# Altium PCB top_INA2180.PcbDoc (part 3 of 5) (continued)
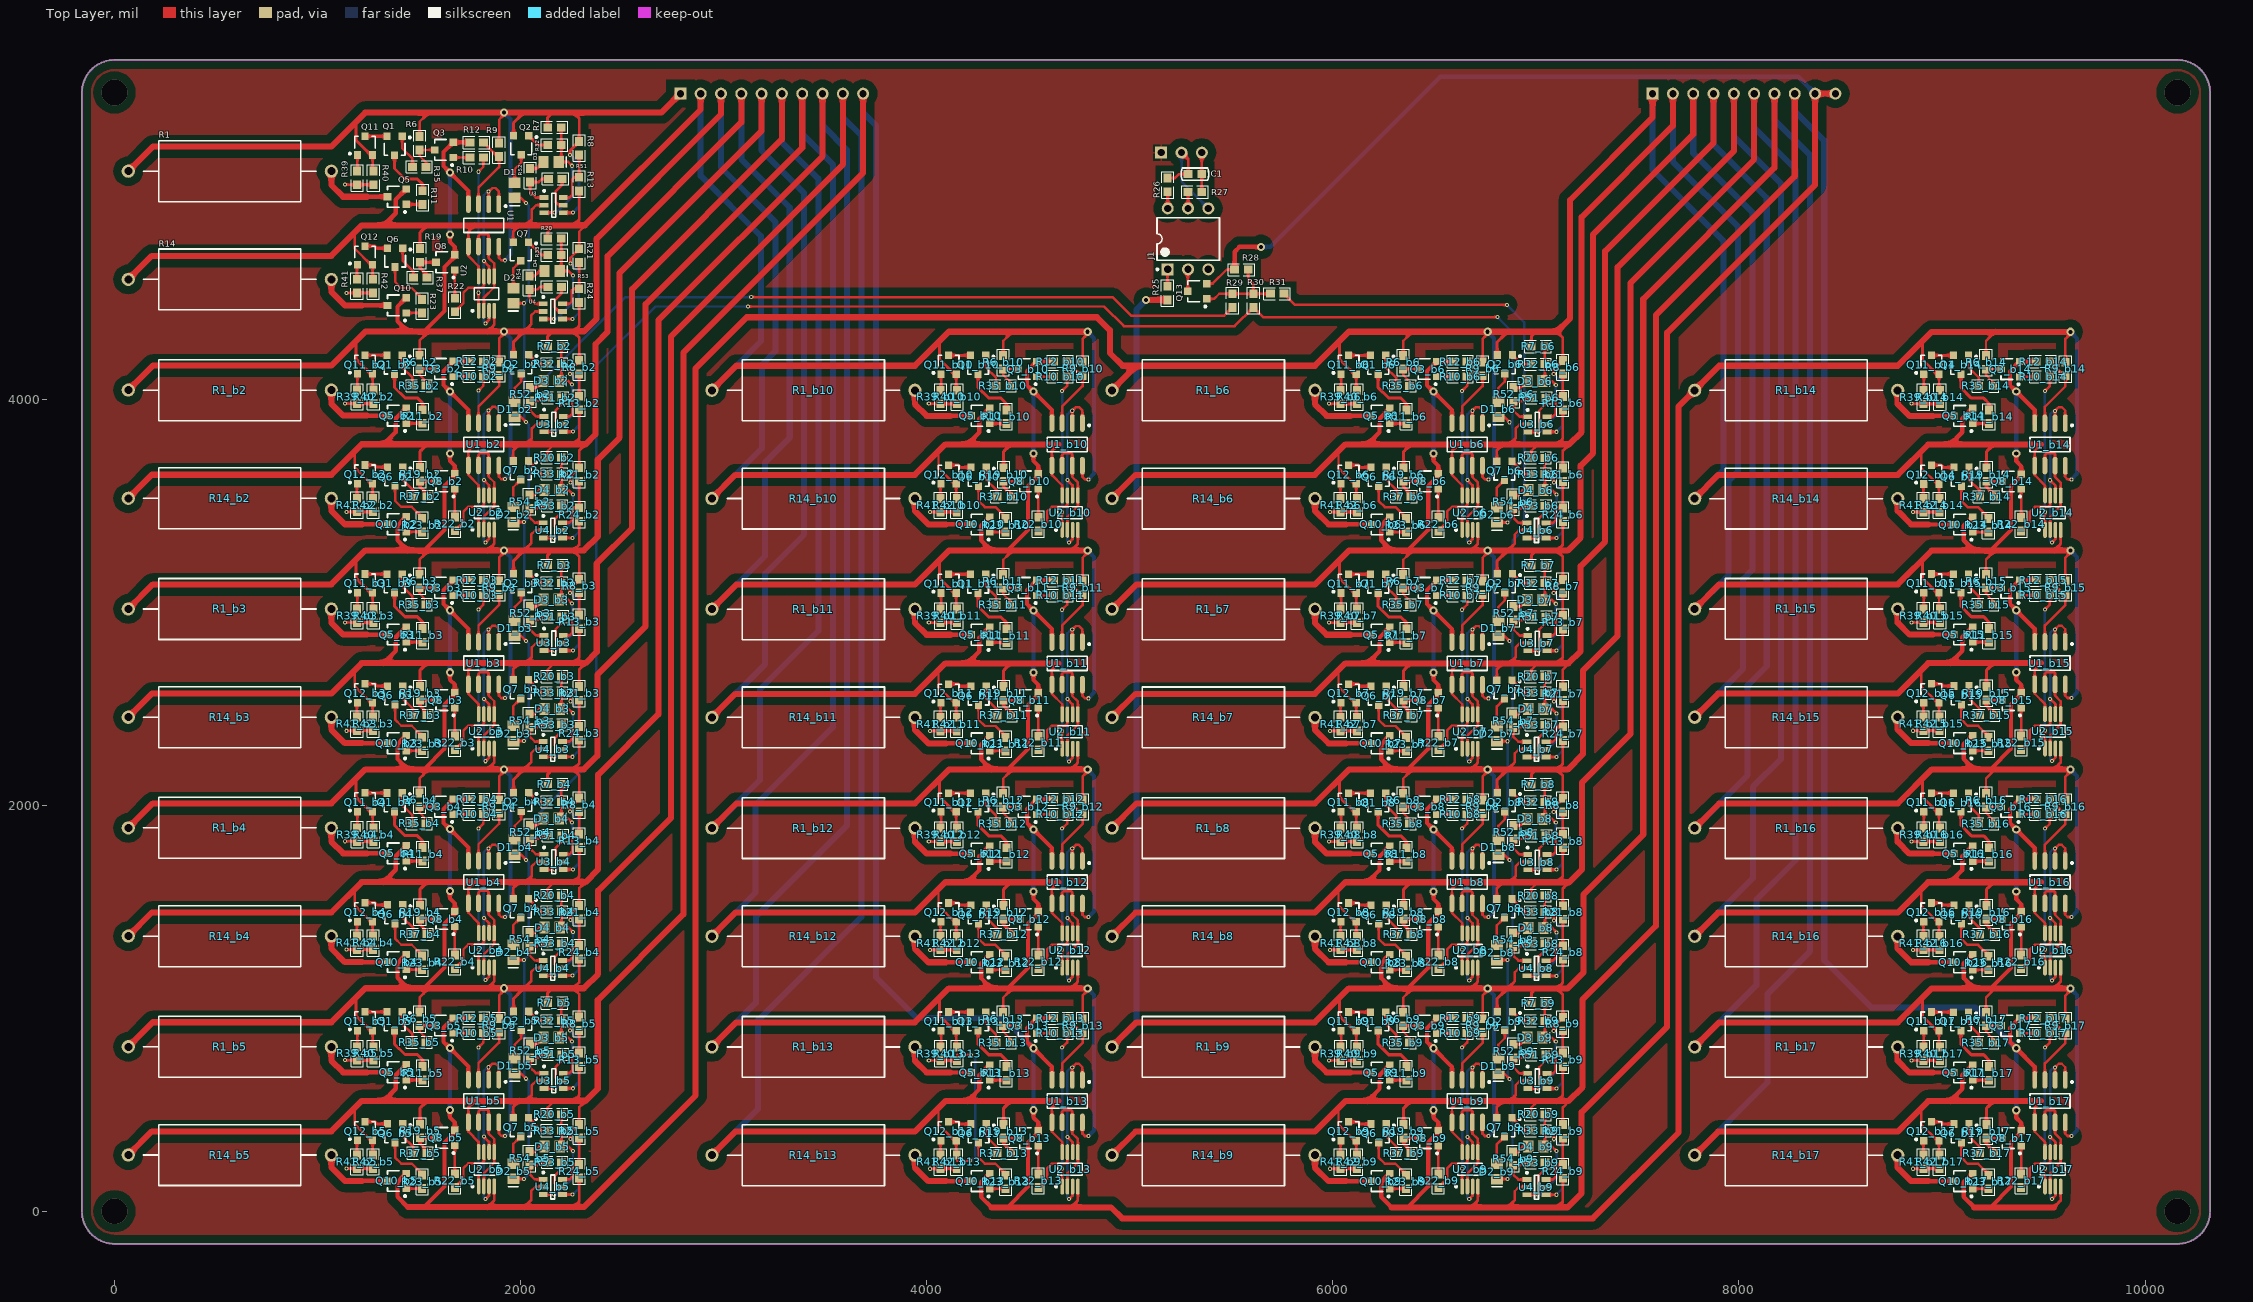
[diagram p0: Top Layer view]
## Nets (pads, with @x,y where several pads share a name; then routed paths per layer and width w, separated by ;. In a path a pad name is that pad's centre, name@x,y a point inside that pad or via, vN(x,y) a via of type N, cw(c..) or ccw(c..) an arc to the next point about the centre after c; other vN are vias at no path point) (continued)
  Top Layer w12: 1183.99,4820.11 1183.99,4740.33 1263.25,4661.07 Q12.2@1271.39,4661.07 1271.39,4592.4 R42.1@1273.99,4589.8 ; 1773.86,4855.61 1742.86,4824.61 U1.5@1742.86,4751.12 1742.86,4704.61 1793.47,4654 U2.8@1793.47,4604.26 ; Q7.2@1963.6,4773.26 1963.6,4825.21 1994,4855.61 ; 2026,4855.61 2056,4885.61 2056,4934 2077,4955 U3.2@2115.76,4955 ; R20.2@2133.54,4790 2133.54,4823.54 2161,4851 2161,4855.61 ; U4.4@2206.24,4394.6 v1(2256.6,4394.6) ; v1(2245,4668) 2245,4696.22 R21.2@2288.86,4740.07 2288.86,4824.61 2319.86,4855.61 ; 2260,4855.61 2288.86,4884.47 R13.1@2288.86,5025.14 ; Q11_b10.2@4145.39,4123.07 4145.39,4048.4 R40_b10.1@4149.99,4043.8 ; R6_b10.2@4376.86,4214.54 4376.86,4286.86 4421.61,4331.61 ; U1_b10.8@4766.86,3672.12 4766.86,3616.61 4778.86,3604.61 v1(4796.86,3604.61) ; R9_b10.2@4767.86,4182.07 4767.86,4296.61 4792.86,4321.61 v2(4792.86,4331.61)
  Top Layer w15: R19.2@1504.86,4741.07 1504.86,4820.61 1539.86,4855.61 1543.86,4855.61 ; 4063.99,4280.86 4063.99,4194.89 Q11_b10.2@4135.81,4123.07
  Top Layer w20: Q11_b10.2@4135.81,4123.07 Q11_b10.2@4145.39,4123.07
  Top Layer w22: 1325.86,4855.61 1385.86,4915.61 1385.86,4982.75 Q5.2@1437.12,5034.01
  Top Layer w30: R14.2@67.99,4589.33 184.27,4705.61 1067.99,4705.61 1217.99,4855.61 1325.86,4855.61 1539.86,4855.61 ; 1543.86,4855.61 1773.86,4855.61 1994,4855.61 2026,4855.61 2161,4855.61 2260,4855.61 2316.53,4855.61 2886.99,5426.07 P1.2@2886.99,5504.07 ; R1_b10.2@2941.99,4043.33 3063.02,4164.36 3941.99,4164.36 4109.24,4331.61 4421.61,4331.61 v2(4792.86,4331.61)
  Bottom Layer w12: v1(2245,4668) 2287,4626 2287,4425 v1(2256.6,4394.6)
  Bottom Layer w20: v2(4792.86,4331.61) 4824.86,4299.61 4824.86,3632.61 v1(4796.86,3604.61)
  Bottom Layer w30: P1.2@2886.99,5504.07 2886.99,5099.12 3184.02,4802.1 3184.02,4285.36 R1_b10.2@2941.99,4043.33
IN_A10: P1.4 Q3_b10.2 Q5_b2.2 Q7_b2.2 Q8_b10.2 Q10_b10.2 Q11_b11.2 Q12_b2.2 R1_b11.2 R6_b11.2 R9_b11.2 R12_b10.1 R13_b2.1 R14_b2.2 R19_b2.2 R20_b2.2 R21_b2.2 R40_b11.1 R42_b2.1 U1_b2.5 U1_b10.4 U1_b11.8 U2_b2.8 U2_b10.4 U3_b2.2 U4_b2.4 | length 14606.8
  Top Layer w12: 1184,3742.04 1184,3662.26 1263.26,3583 Q12_b2.2@1271.4,3583 1271.4,3514.32 R42_b2.1@1274,3511.72 ; 1773.87,3777.54 1742.87,3746.54 U1_b2.5@1742.87,3673.05 1742.87,3626.54 1793.48,3575.92 U2_b2.8@1793.48,3526.18 ; Q7_b2.2@1963.61,3695.19 1963.61,3747.13 1994.01,3777.54 ; 2026.01,3777.54 2056.01,3807.54 2056.01,3855.93 2077.01,3876.93 U3_b2.2@2115.76,3876.93 ; R20_b2.2@2133.54,3711.93 2133.54,3745.46 2161.01,3772.93 2161.01,3777.54 ; U4_b2.4@2206.25,3316.52 v1(2256.61,3316.52) ; v1(2245.01,3589.93) 2245.01,3618.14 R21_b2.2@2288.87,3662 2288.87,3746.54 2319.87,3777.54 ; 2260.01,3777.54 2288.87,3806.39 R13_b2.1@2288.87,3947.07 ; Q11_b11.2@4145.39,3045.07 4145.39,2970.4 R40_b11.1@4149.99,2965.8 ; R6_b11.2@4376.86,3136.54 4376.86,3208.86 4421.54,3253.54 4421.61,3253.61 ; 4709.86,3252.61 4710.79,3253.54 4710.86,3253.61 4744.24,3287 U2_b10.4@4744.24,3355.96 ; U1_b11.8@4766.86,2594.12 4766.86,2538.61 4778.86,2526.61 v1(4796.86,2526.61) ; R9_b11.2@4767.86,3104.07 4767.86,3218.61 4792.86,3243.61 v2(4792.86,3253.61)
  Top Layer w15: R19_b2.2@1504.87,3663 1504.87,3742.54 1539.87,3777.54 1543.87,3777.54 ; 4063.99,3202.86 4063.99,3116.89 Q11_b11.2@4135.81,3045.07
  Top Layer w20: Q11_b11.2@4135.81,3045.07 Q11_b11.2@4145.39,3045.07 ; 4400.86,3256.14 4499.86,3355.14 4499.86,3572.17 4550.12,3622.43 Q8_b10.2@4550.12,3632.01 4550.12,3670.35 4525.72,3694.74 v2(4525.72,3731.61) ; 4420.86,3252.61 4421.79,3253.54 ; U1_b10.4@4616.86,3881.1 4616.86,3945.88 v2(4525.72,4037.01) 4494.72,4068.01 4494.72,4137.15 Q3_b10.2@4542.98,4185.41 R12_b10.1@4623.86,4185.41
  Top Layer w22: 1325.87,3777.54 1385.87,3837.54 1385.87,3904.68 Q5_b2.2@1437.13,3955.94 ; Q10_b10.2@4311.12,3420.01 4267.86,3376.75 4267.86,3304.61 4318.86,3253.61 4318.93,3253.54
  Top Layer w30: R14_b2.2@68,3511.26 184.28,3627.54 1068,3627.54 1218,3777.54 1325.87,3777.54 1539.87,3777.54 ; 1543.87,3777.54 1773.87,3777.54 1994.01,3777.54 2026.01,3777.54 2161.01,3777.54 2260.01,3777.54 2316.54,3777.54 ; 2319.87,3777.54 2369,3826.67 2369,4271.08 2428.99,4331.07 2428.99,4704.23 3086.99,5362.23 P1.4@3086.99,5504.07 ; R1_b11.2@2941.99,2965.33 3063.02,3086.36 3941.99,3086.36 4109.24,3253.61 4318.86,3253.61 4421.61,3253.61 4710.86,3253.61 v2(4792.86,3253.61) ; 4318.93,3253.54 4421.54,3253.54 4421.79,3253.54 4710.79,3253.54
  Bottom Layer w12: v1(2245.01,3589.93) 2287.01,3547.93 2287.01,3346.93 v1(2256.61,3316.52)
  Bottom Layer w20: v2(4525.72,3731.61) v2(4525.72,4037.01) ; v2(4792.86,3253.61) 4824.86,3221.61 4824.86,2554.61 v1(4796.86,2526.61)
  Bottom Layer w30: R1_b11.2@2941.99,2965.33 3203.99,3227.33 3203.99,3688.69 3325.44,3810.14 3325.44,4943.52 3086.99,5181.97 P1.4@3086.99,5504.07
IN_A11: P1.6 Q3_b11.2 Q5_b3.2 Q7_b3.2 Q8_b11.2 Q10_b11.2 Q11_b12.2 Q12_b3.2 R1_b12.2 R6_b12.2 R9_b12.2 R12_b11.1 R13_b3.1 R14_b3.2 R19_b3.2 R20_b3.2 R21_b3.2 R40_b12.1 R42_b3.1 U1_b3.5 U1_b11.4 U1_b12.8 U2_b3.8 U2_b11.4 U3_b3.2 U4_b3.4 | length 16880
  Top Layer w12: 1184,2664.04 1184,2584.26 1263.26,2505 Q12_b3.2@1271.4,2505 1271.4,2436.32 R42_b3.1@1274,2433.72 ; 1773.87,2699.54 1742.87,2668.54 U1_b3.5@1742.87,2595.05 1742.87,2548.54 1793.48,2497.92 U2_b3.8@1793.48,2448.18 ; Q7_b3.2@1963.61,2617.19 1963.61,2669.13 1994.01,2699.54 ; 2026.01,2699.54 2056.01,2729.54 2056.01,2777.93 2077.01,2798.93 U3_b3.2@2115.76,2798.93 ; R20_b3.2@2133.54,2633.93 2133.54,2667.46 2161.01,2694.93 2161.01,2699.54 ; U4_b3.4@2206.25,2238.52 v1(2256.61,2238.52) ; v1(2245.01,2511.93) 2245.01,2540.14 R21_b3.2@2288.87,2584 2288.87,2668.54 2319.87,2699.54 ; 2260.01,2699.54 2288.87,2728.39 R13_b3.1@2288.87,2869.07 ; Q11_b12.2@4145.39,1967.07 4145.39,1892.4 R40_b12.1@4149.99,1887.8 ; R6_b12.2@4376.86,2058.54 4376.86,2130.86 4421.54,2175.54 4421.61,2175.61 ; 4709.86,2174.61 4710.79,2175.54 4710.86,2175.61 4744.24,2209 U2_b11.4@4744.24,2277.96 ; U1_b12.8@4766.86,1516.12 4766.86,1460.61 4778.86,1448.61 v1(4796.86,1448.61) ; R9_b12.2@4767.86,2026.07 4767.86,2140.61 4792.86,2165.61 v2(4792.86,2175.61)
  Top Layer w15: R19_b3.2@1504.87,2585 1504.87,2664.54 1539.87,2699.54 1543.87,2699.54 ; 4063.99,2124.86 4063.99,2038.89 Q11_b12.2@4135.81,1967.07
  Top Layer w20: Q11_b12.2@4135.81,1967.07 Q11_b12.2@4145.39,1967.07 ; 4400.86,2178.14 4499.86,2277.14 4499.86,2494.17 4550.12,2544.43 Q8_b11.2@4550.12,2554.01 4550.12,2592.35 4525.72,2616.74 v2(4525.72,2653.61) ; 4420.86,2174.61 4421.79,2175.54 ; U1_b11.4@4616.86,2803.1 4616.86,2867.88 v2(4525.72,2959.01) 4494.72,2990.01 4494.72,3059.15 Q3_b11.2@4542.98,3107.41 R12_b11.1@4623.86,3107.41
  Top Layer w22: 1325.87,2699.54 1385.87,2759.54 1385.87,2826.68 Q5_b3.2@1437.13,2877.94 ; Q10_b11.2@4311.12,2342.01 4267.86,2298.75 4267.86,2226.61 4318.86,2175.61 4318.93,2175.54
  Top Layer w30: R14_b3.2@68,2433.26 184.28,2549.54 1068,2549.54 1218,2699.54 1325.87,2699.54 1539.87,2699.54 ; 1543.87,2699.54 1773.87,2699.54 1994.01,2699.54 2026.01,2699.54 2161.01,2699.54 2260.01,2699.54 2316.54,2699.54 ; 2319.87,2699.54 2375,2754.67 2375,3191.08 2548.99,3365.07 2548.99,4541.39 3286.99,5279.39 P1.6@3286.99,5504.07 ; R1_b12.2@2941.99,1887.33 3063.02,2008.36 3941.99,2008.36 4109.24,2175.61 4318.86,2175.61 4421.61,2175.61 4710.86,2175.61 v2(4792.86,2175.61) ; 4318.93,2175.54 4421.54,2175.54 4421.79,2175.54 4710.79,2175.54
  Bottom Layer w12: v1(2245.01,2511.93) 2287.01,2469.93 2287.01,2268.93 v1(2256.61,2238.52)
  Bottom Layer w20: v2(4525.72,2653.61) v2(4525.72,2959.01) ; v2(4792.86,2175.61) 4824.86,2143.61 4824.86,1476.61 v1(4796.86,1448.61)
  Bottom Layer w30: R1_b12.2@2941.99,1887.33 3178.99,2124.33 3178.99,2570.07 3466.86,2857.94 3466.86,5084.94 3286.99,5264.81 P1.6@3286.99,5504.07
IN_A12: P1.8 Q3_b12.2 Q5_b4.2 Q7_b4.2 Q8_b12.2 Q10_b12.2 Q11_b13.2 Q12_b4.2 R1_b13.2 R6_b13.2 R9_b13.2 R12_b12.1 R13_b4.1 R14_b4.2 R19_b4.2 R20_b4.2 R21_b4.2 R40_b13.1 R42_b4.1 U1_b4.5 U1_b12.4 U1_b13.8 U2_b4.8 U2_b12.4 U3_b4.2 U4_b4.4 | length 19153.2
  Top Layer w12: 1184,1586.04 1184,1506.26 1263.26,1427 Q12_b4.2@1271.4,1427 1271.4,1358.32 R42_b4.1@1274,1355.72 ; 1773.87,1621.54 1742.87,1590.54 U1_b4.5@1742.87,1517.05 1742.87,1470.54 1793.48,1419.92 U2_b4.8@1793.48,1370.18 ; Q7_b4.2@1963.61,1539.19 1963.61,1591.13 1994.01,1621.54 ; 2026.01,1621.54 2056.01,1651.54 2056.01,1699.93 2077.01,1720.93 U3_b4.2@2115.76,1720.93 ; R20_b4.2@2133.54,1555.93 2133.54,1589.46 2161.01,1616.93 2161.01,1621.54 ; U4_b4.4@2206.25,1160.52 v1(2256.61,1160.52) ; v1(2245.01,1433.93) 2245.01,1462.14 R21_b4.2@2288.87,1506 2288.87,1590.54 2319.87,1621.54 ; 2260.01,1621.54 2288.87,1650.39 R13_b4.1@2288.87,1791.07 ; Q11_b13.2@4145.39,889.07 4145.39,814.4 R40_b13.1@4149.99,809.8 ; R6_b13.2@4376.86,980.54 4376.86,1052.86 4421.54,1097.54 4421.61,1097.61 ; 4709.86,1096.61 4710.79,1097.54 4710.86,1097.61 4744.24,1131 U2_b12.4@4744.24,1199.96 ; U1_b13.8@4766.86,438.12 4766.86,382.61 4778.86,370.61 v1(4796.86,370.61) ; R9_b13.2@4767.86,948.07 4767.86,1062.61 4792.86,1087.61 v2(4792.86,1097.61)
  Top Layer w15: R19_b4.2@1504.87,1507 1504.87,1586.54 1539.87,1621.54 1543.87,1621.54 ; 4063.99,1046.86 4063.99,960.89 Q11_b13.2@4135.81,889.07
  Top Layer w20: Q11_b13.2@4135.81,889.07 Q11_b13.2@4145.39,889.07 ; 4400.86,1100.14 4499.86,1199.14 4499.86,1416.17 4550.12,1466.43 Q8_b12.2@4550.12,1476.01 4550.12,1514.35 4525.72,1538.74 v2(4525.72,1575.61) ; 4420.86,1096.61 4421.79,1097.54 ; U1_b12.4@4616.86,1725.1 4616.86,1789.88 v2(4525.72,1881.01) 4494.72,1912.01 4494.72,1981.15 Q3_b12.2@4542.98,2029.41 R12_b12.1@4623.86,2029.41
  Top Layer w22: 1325.87,1621.54 1385.87,1681.54 1385.87,1748.68 Q5_b4.2@1437.13,1799.94 ; Q10_b12.2@4311.12,1264.01 4267.86,1220.75 4267.86,1148.61 4318.86,1097.61 4318.93,1097.54
  Top Layer w30: R14_b4.2@68,1355.26 184.28,1471.54 1068,1471.54 1218,1621.54 1325.87,1621.54 1539.87,1621.54 ; 1543.87,1621.54 1773.87,1621.54 1994.01,1621.54 2026.01,1621.54 2161.01,1621.54 2260.01,1621.54 2316.54,1621.54 ; 2319.87,1621.54 2382,1683.67 2382,2150.08 2678.99,2447.07 2678.99,4388.55 3486.99,5196.55 P1.8@3486.99,5504.07 ; R1_b13.2@2941.99,809.33 3063.02,930.36 3941.99,930.36 4109.24,1097.61 4318.86,1097.61 4421.61,1097.61 4710.86,1097.61 v2(4792.86,1097.61) ; 4318.93,1097.54 4421.54,1097.54 4421.79,1097.54 4710.79,1097.54
  Bottom Layer w12: v1(2245.01,1433.93) 2287.01,1391.93 2287.01,1190.93 v1(2256.61,1160.52)
  Bottom Layer w20: v2(4525.72,1575.61) v2(4525.72,1881.01) ; v2(4792.86,1097.61) 4824.86,1065.61 4824.86,398.61 v1(4796.86,370.61)
  Bottom Layer w30: R1_b13.2@2941.99,809.33 3158.99,1026.33 3158.99,1451.07 3608.28,1900.36 3608.28,5226.36 3486.99,5347.65 P1.8@3486.99,5504.07
IN_A13: P1.10 Q3_b13.2 Q5_b5.2 Q7_b5.2 Q8_b13.2 Q10_b13.2 Q11_b14.2 Q12_b5.2 R1_b14.2 R6_b14.2 R9_b14.2 R12_b13.1 R13_b5.1 R14_b5.2 R19_b5.2 R20_b5.2 R21_b5.2 R40_b14.1 R42_b5.1 U1_b5.5 U1_b13.4 U1_b14.8 U2_b5.8 U2_b13.4 U3_b5.2 U4_b5.4 | length 27466.7
  Top Layer w12: 1184,508.04 1184,428.26 1263.26,349 Q12_b5.2@1271.4,349 1271.4,280.32 R42_b5.1@1274,277.72 ; 1773.87,543.54 1742.87,512.54 U1_b5.5@1742.87,439.05 1742.87,392.54 1793.48,341.92 U2_b5.8@1793.48,292.18 ; Q7_b5.2@1963.61,461.19 1963.61,513.13 1994.01,543.54 ; 2026.01,543.54 2056.01,573.54 2056.01,621.93 2077.01,642.93 U3_b5.2@2115.76,642.93 ; R20_b5.2@2133.54,477.93 2133.54,511.46 2161.01,538.93 2161.01,543.54 ; U4_b5.4@2206.25,82.52 v1(2256.61,82.52) ; v1(2245.01,355.93) 2245.01,384.14 R21_b5.2@2288.87,428 2288.87,512.54 2319.87,543.54 ; 2260.01,543.54 2288.87,572.39 R13_b5.1@2288.87,713.07 ; 4710.79,19.54 4744.24,53 U2_b13.4@4744.24,121.96 ; Q11_b14.2@8985.39,4122.81 8985.39,4048.14 R40_b14.1@8989.99,4043.54 ; R6_b14.2@9216.86,4214.28 9216.86,4286.6 9261.61,4331.35 ; U1_b14.8@9606.86,3671.86 9606.86,3616.35 9618.86,3604.35 v1(9636.86,3604.35) ; R9_b14.2@9607.86,4181.81 9607.86,4296.35 9632.86,4321.35 v2(9632.86,4331.35)
  Top Layer w15: R19_b5.2@1504.87,429 1504.87,508.54 1539.87,543.54 1543.87,543.54 ; 8903.99,4280.6 8903.99,4194.63 Q11_b14.2@8975.81,4122.81
  Top Layer w20: 4400.86,22.14 4499.86,121.14 4499.86,338.17 4550.12,388.43 Q8_b13.2@4550.12,398.01 4550.12,436.35 4525.72,460.74 v2(4525.72,497.61) ; 4420.86,18.61 4421.79,19.54 ; U1_b13.4@4616.86,647.1 4616.86,711.88 v2(4525.72,803.01) 4494.72,834.01 4494.72,903.15 Q3_b13.2@4542.98,951.41 R12_b13.1@4623.86,951.41 ; Q11_b14.2@8975.81,4122.81 Q11_b14.2@8985.39,4122.81
  Top Layer w22: 1325.87,543.54 1385.87,603.54 1385.87,670.68 Q5_b5.2@1437.13,721.94 ; Q10_b13.2@4311.12,186.01 4267.86,142.75 4267.86,70.61 4318.93,19.54
  Top Layer w30: R14_b5.2@68,277.26 184.28,393.54 1068,393.54 1218,543.54 1325.87,543.54 1539.87,543.54 ; 1543.87,543.54 1773.87,543.54 1994.01,543.54 2026.01,543.54 2161.01,543.54 2260.01,543.54 2316.54,543.54 ; 2319.87,543.54 2380,603.67 2380,1040.08 2801.99,1462.07 2801.99,4228.7 3686.99,5113.7 P1.10@3686.99,5504.07 ; 4318.93,19.54 4421.79,19.54 4710.79,19.54 4907.53,19.54 4961.99,-34.93 7279.99,-34.93 7702.99,388.07 7702.99,3964.07 R1_b14.2@7781.99,4043.07 7903.02,4164.1 8781.99,4164.1 8949.24,4331.35 9261.61,4331.35 v2(9632.86,4331.35)
  Bottom Layer w12: v1(2245.01,355.93) 2287.01,313.93 2287.01,112.93 v1(2256.61,82.52)
  Bottom Layer w20: v2(4525.72,497.61) v2(4525.72,803.01) ; v2(9632.86,4331.35) 9664.86,4299.35 9664.86,3632.35 v1(9636.86,3604.35)
  Bottom Layer w30: P1.10@3686.99,5504.07 3686.99,5411.07 3749.99,5348.07 3749.99,1154.01 3952,952 4376.74,952 v2(4525.72,803.01)
IN_A14: P2.2 Q3_b14.2 Q5_b6.2 Q7_b6.2 Q8_b14.2 Q10_b14.2 Q11_b15.2 Q12_b6.2 R1_b15.2 R6_b15.2 R9_b15.2 R12_b14.1 R13_b6.1 R14_b6.2 R19_b6.2 R20_b6.2 R21_b6.2 R40_b15.1 R42_b6.1 U1_b6.5 U1_b14.4 U1_b15.8 U2_b6.8 U2_b14.4 U3_b6.2 U4_b6.4 | length 14451.9
  Top Layer w12: 6027.99,3741.11 6027.99,3661.33 6107.25,3582.07 Q12_b6.2@6115.39,3582.07 6115.39,3513.4 R42_b6.1@6117.99,3510.8 ; 6617.86,3776.61 6586.86,3745.61 U1_b6.5@6586.86,3672.12 6586.86,3625.61 6637.47,3575 U2_b6.8@6637.47,3525.26 ; Q7_b6.2@6807.6,3694.26 6807.6,3746.21 6838,3776.61 ; 6870,3776.61 6900,3806.61 6900,3855 6921,3876 U3_b6.2@6959.76,3876 ; R20_b6.2@6977.54,3711 6977.54,3744.54 7005,3772 7005,3776.61 ; U4_b6.4@7050.24,3315.6 v1(7100.6,3315.6) ; v1(7089,3589) 7089,3617.22 R21_b6.2@7132.86,3661.07 7132.86,3745.61 7163.86,3776.61 ; 7104,3776.61 7132.86,3805.47 R13_b6.1@7132.86,3946.14 ; Q11_b15.2@8985.39,3046.07 8985.39,2971.4 R40_b15.1@8989.99,2966.8 ; R6_b15.2@9216.86,3137.54 9216.86,3209.86 9261.28,3254.28 9261.35,3254.35 9261.54,3254.54 ; 9305.54,3254.28 9305.61,3254.35 ; 9550.86,3253.35 9551.79,3254.28 9551.86,3254.35 9584.24,3286.74 U2_b14.4@9584.24,3355.7 ; 9594.79,3254.28 9594.86,3254.35 ; U1_b15.8@9606.86,2595.12 9606.86,2539.61 9618.86,2527.61 v1(9636.86,2527.61) ; R9_b15.2@9607.86,3105.07 9607.86,3219.61 v2@9632.86,3244.61
  Top Layer w15: R19_b6.2@6348.86,3662.07 6348.86,3741.61 6383.86,3776.61 6387.86,3776.61 ; 8903.99,3203.86 8903.99,3117.89 Q11_b15.2@8975.81,3046.07
  Top Layer w20: Q11_b15.2@8975.81,3046.07 Q11_b15.2@8985.39,3046.07 ; 9240.86,3255.88 9339.86,3354.88 9339.86,3571.91 9390.12,3622.17 Q8_b14.2@9390.12,3631.75 9390.12,3670.09 9365.72,3694.48 v2(9365.72,3731.35) ; 9304.86,3253.35 9305.79,3254.28 ; U1_b14.4@9456.86,3880.84 9456.86,3945.62 v2(9365.72,4036.75) 9334.72,4067.75 9334.72,4136.89 Q3_b14.2@9382.98,4185.15 R12_b14.1@9463.86,4185.15
  Top Layer w22: 6169.86,3776.61 6229.86,3836.61 6229.86,3903.75 Q5_b6.2@6281.12,3955.01 ; Q10_b14.2@9151.12,3419.75 9107.86,3376.49 9107.86,3304.35 9157.86,3254.35 9158.86,3253.35 ; 9202.86,3254.35 9202.93,3254.28
  Top Layer w30: R14_b6.2@4911.99,3510.33 5028.27,3626.61 5911.99,3626.61 6061.99,3776.61 6169.86,3776.61 6383.86,3776.61 ; 6387.86,3776.61 6617.86,3776.61 6838,3776.61 6870,3776.61 7005,3776.61 7104,3776.61 7160.53,3776.61 ; 7163.86,3776.61 7224.99,3837.74 7224.99,4895.65 7674.99,5345.65 P2.2@7674.99,5504.07 ; R1_b15.2@7781.99,2966.33 7903.02,3087.36 8781.99,3087.36 8948.35,3253.72 ; 8948.98,3254.35 9157.86,3254.35 9202.86,3254.35 9261.35,3254.35 9305.61,3254.35 9551.86,3254.35 9594.86,3254.35 ; 9202.93,3254.28 9261.28,3254.28 9305.54,3254.28 9305.79,3254.28 9551.79,3254.28 9594.79,3254.28 v2@9632.53,3254.28
  Bottom Layer w12: v1(7089,3589) 7131,3547 7131,3346 v1(7100.6,3315.6)
  Bottom Layer w20: v2(9365.72,3731.35) v2(9365.72,4036.75) ; v2(9632.86,3254.61) 9664.86,3222.61 9664.86,2555.61 v1(9636.86,2527.61)
  Bottom Layer w30: P2.2@7674.99,5504.07 7674.99,5169.55 7995.73,4848.81 7995.73,3643.81 7948.99,3597.07 7948.99,3133.33 R1_b15.2@7781.99,2966.33
IN_A15: P2.4 Q3_b15.2 Q5_b7.2 Q7_b7.2 Q8_b15.2 Q10_b15.2 Q11_b16.2 Q12_b7.2 R1_b16.2 R6_b16.2 R9_b16.2 R12_b15.1 R13_b7.1 R14_b7.2 R19_b7.2 R20_b7.2 R21_b7.2 R40_b16.1 R42_b7.1 U1_b7.5 U1_b15.4 U1_b16.8 U2_b7.8 U2_b15.4 U3_b7.2 U4_b7.4 | length 16729.6
  Top Layer w12: 6027.99,2663.11 6027.99,2583.33 6107.25,2504.07 Q12_b7.2@6115.39,2504.07 6115.39,2435.4 R42_b7.1@6117.99,2432.8 ; 6617.86,2698.61 6586.86,2667.61 U1_b7.5@6586.86,2594.12 6586.86,2547.61 6637.47,2497 U2_b7.8@6637.47,2447.26 ; Q7_b7.2@6807.6,2616.26 6807.6,2668.21 6838,2698.61 ; 6870,2698.61 6900,2728.61 6900,2777 6921,2798 U3_b7.2@6959.76,2798 ; R20_b7.2@6977.54,2633 6977.54,2666.54 7005,2694 7005,2698.61 ; U4_b7.4@7050.24,2237.6 v1(7100.6,2237.6) ; v1(7089,2511) 7089,2539.22 R21_b7.2@7132.86,2583.07 7132.86,2667.61 7163.86,2698.61 ; 7104,2698.61 7132.86,2727.47 R13_b7.1@7132.86,2868.14 ; Q11_b16.2@8985.39,1967.07 8985.39,1892.4 R40_b16.1@8989.99,1887.8 ; R6_b16.2@9216.86,2058.54 9216.86,2130.86 9261.54,2175.54 ; 9305.54,2176.54 9305.61,2176.61 ; 9550.86,2176.61 9584.24,2210 U2_b15.4@9584.24,2278.96 ; 9593.86,2175.61 9594.79,2176.54 9594.86,2176.61 ; U1_b16.8@9606.86,1516.12 9606.86,1460.61 9618.86,1448.61 v1(9636.86,1448.61) ; R9_b16.2@9607.86,2026.07 9607.86,2140.61 v2@9632.86,2165.61
  Top Layer w15: R19_b7.2@6348.86,2584.07 6348.86,2663.61 6383.86,2698.61 6387.86,2698.61 ; 8903.99,2124.86 8903.99,2038.89 Q11_b16.2@8975.81,1967.07
  Top Layer w20: Q11_b16.2@8975.81,1967.07 Q11_b16.2@8985.39,1967.07 ; 9240.86,2179.14 9339.86,2278.14 9339.86,2495.17 9390.12,2545.43 Q8_b15.2@9390.12,2555.01 9390.12,2593.35 9365.72,2617.74 v2(9365.72,2654.61) ; 9304.86,2175.61 9305.79,2176.54 ; U1_b15.4@9456.86,2804.1 9456.86,2868.88 v2(9365.72,2960.01) 9334.72,2991.01 9334.72,3060.15 Q3_b15.2@9382.98,3108.41 R12_b15.1@9463.86,3108.41
  Top Layer w22: 6169.86,2698.61 6229.86,2758.61 6229.86,2825.75 Q5_b7.2@6281.12,2877.01 ; Q10_b15.2@9151.12,2343.01 9107.86,2299.75 9107.86,2227.61 9158.86,2176.61 ; 9202.86,2176.61 9202.93,2176.54
  Top Layer w30: R14_b7.2@4911.99,2432.33 5028.27,2548.61 5911.99,2548.61 6061.99,2698.61 6169.86,2698.61 6383.86,2698.61 ; 6387.86,2698.61 6617.86,2698.61 6838,2698.61 6870,2698.61 7005,2698.61 7104,2698.61 7160.53,2698.61 7220,2758.08 7220,3177.08 7340.99,3298.07 7340.99,4728.81 7874.99,5262.81 P2.4@7874.99,5504.07 ; R1_b16.2@7781.99,1887.33 7903.02,2008.36 8781.99,2008.36 8950.24,2176.61 9158.86,2176.61 9202.86,2176.61 9305.61,2176.61 9550.86,2176.61 9594.86,2176.61 v2(9632.99,2176.61) ; 9202.93,2176.54 9305.54,2176.54 9305.79,2176.54 9594.79,2176.54
  Bottom Layer w12: v1(7089,2511) 7131,2469 7131,2268 v1(7100.6,2237.6)
  Bottom Layer w20: v2(9365.72,2654.61) v2(9365.72,2960.01) ; v2@9632.86,2175.61 9664.86,2143.61 9664.86,1476.61 v1(9636.86,1448.61)
  Bottom Layer w30: R1_b16.2@7781.99,1887.33 8042.99,2148.33 ; P2.4@7874.99,5504.07 7874.99,5252.39 8137.15,4990.23 8137.15,2685.07 8042.99,2590.92 8042.99,2149.33
IN_A16: P2.6 Q3_b16.2 Q5_b8.2 Q7_b8.2 Q8_b16.2 Q10_b16.2 Q11_b17.2 Q12_b8.2 R1_b17.2 R6_b17.2 R9_b17.2 R12_b16.1 R13_b8.1 R14_b8.2 R19_b8.2 R20_b8.2 R21_b8.2 R40_b17.1 R42_b8.1 U1_b8.5 U1_b16.4 U1_b17.8 U2_b8.8 U2_b16.4 U3_b8.2 U4_b8.4 | length 19001.8
  Top Layer w12: 6027.99,1585.11 6027.99,1505.33 6107.25,1426.07 Q12_b8.2@6115.39,1426.07 6115.39,1357.4 R42_b8.1@6117.99,1354.8 ; 6617.86,1620.61 6586.86,1589.61 U1_b8.5@6586.86,1516.12 6586.86,1469.61 6637.47,1419 U2_b8.8@6637.47,1369.26 ; Q7_b8.2@6807.6,1538.26 6807.6,1590.21 6838,1620.61 ; 6870,1620.61 6900,1650.61 6900,1699 6921,1720 U3_b8.2@6959.76,1720 ; R20_b8.2@6977.54,1555 6977.54,1588.54 7005,1616 7005,1620.61 ; U4_b8.4@7050.24,1159.6 v1(7100.6,1159.6) ; v1(7089,1433) 7089,1461.22 R21_b8.2@7132.86,1505.07 7132.86,1589.61 7163.86,1620.61 ; 7104,1620.61 7132.86,1649.47 R13_b8.1@7132.86,1790.14 ; Q11_b17.2@8985.39,889.07 8985.39,814.4 R40_b17.1@8989.99,809.8 ; R6_b17.2@9216.86,980.54 9216.86,1052.86 9261.28,1097.28 ; 9297.28,1097.54 9297.35,1097.61 9297.54,1097.8 ; 9305.54,1097.54 9305.61,1097.61 ; 9550.86,1097.61 9584.24,1131 U2_b16.4@9584.24,1199.96 ; 9593.86,1096.61 9594.79,1097.54 9594.86,1097.61 ; U1_b17.8@9606.86,438.12 9606.86,382.61 9618.86,370.61 v1(9636.86,370.61) ; R9_b17.2@9607.86,948.07 9607.86,1062.61 v2@9632.86,1087.61
  Top Layer w15: R19_b8.2@6348.86,1506.07 6348.86,1585.61 6383.86,1620.61 6387.86,1620.61 ; 8903.99,1046.86 8903.99,960.89 Q11_b17.2@8975.81,889.07
  Top Layer w20: Q11_b17.2@8975.81,889.07 Q11_b17.2@8985.39,889.07 ; 9240.86,1100.14 9339.86,1199.14 9339.86,1416.17 9390.12,1466.43 Q8_b16.2@9390.12,1476.01 9390.12,1514.35 9365.72,1538.74 v2(9365.72,1575.61) ; 9304.86,1096.61 9305.79,1097.54 ; U1_b16.4@9456.86,1725.1 9456.86,1789.88 v2(9365.72,1881.01) 9334.72,1912.01 9334.72,1981.15 Q3_b16.2@9382.98,2029.41 R12_b16.1@9463.86,2029.41
  Top Layer w22: 6169.86,1620.61 6229.86,1680.61 6229.86,1747.75 Q5_b8.2@6281.12,1799.01 ; Q10_b16.2@9151.12,1264.01 9107.86,1220.75 9107.86,1148.61 9158.86,1097.61 ; 9202.86,1097.61 9202.93,1097.54
  Top Layer w30: R14_b8.2@4911.99,1354.33 5028.27,1470.61 5911.99,1470.61 6061.99,1620.61 6169.86,1620.61 6383.86,1620.61 ; 6387.86,1620.61 6617.86,1620.61 6838,1620.61 6870,1620.61 7005,1620.61 7104,1620.61 7160.53,1620.61 ; 7163.86,1620.61 7228,1684.75 7228,2112.08 7466.99,2351.07 7466.99,4571.97 8074.99,5179.97 P2.6@8074.99,5504.07 ; R1_b17.2@7781.99,809.33 7903.02,930.36 8781.99,930.36 8949.24,1097.61 9158.86,1097.61 9202.86,1097.61 9297.35,1097.61 9305.61,1097.61 9550.86,1097.61 9594.86,1097.61 v2(9632.86,1097.61) ; 9202.93,1097.54 9297.28,1097.54 9305.54,1097.54 9305.79,1097.54 9594.79,1097.54
  Bottom Layer w12: v1(7089,1433) 7131,1391 7131,1190 v1(7100.6,1159.6)
  Bottom Layer w20: v2(9365.72,1575.61) v2(9365.72,1881.01) ; v2(9632.86,1097.61) 9664.86,1065.61 9664.86,398.61 v1(9636.86,370.61)
  Bottom Layer w30: R1_b17.2@7781.99,809.33 8085.99,1113.33 8085.99,1535.07 8278.57,1727.65 8278.57,5131.65 8074.99,5335.23 P2.6@8074.99,5504.07
IN_B8: P2.8 Q3_b17.2 Q5_b9.2 Q7_b9.2 Q8_b17.2 Q10_b17.2 Q12_b9.2 R12_b17.1 R13_b9.1 R14_b9.2 R19_b9.2 R20_b9.2 R21_b9.2 R42_b9.1 U1_b9.5 U1_b17.4 U2_b9.8 U2_b17.4 U3_b9.2 U4_b9.4 | length 17256.1
  Top Layer w12: 6027.99,507.11 6027.99,427.33 6107.25,348.07 Q12_b9.2@6115.39,348.07 6115.39,279.4 R42_b9.1@6117.99,276.8 ; 6617.86,542.61 6586.86,511.61 U1_b9.5@6586.86,438.12 6586.86,391.61 6637.47,341 U2_b9.8@6637.47,291.26 ; Q7_b9.2@6807.6,460.26 6807.6,512.21 6838,542.61 ; 6870,542.61 6900,572.61 6900,621 6921,642 U3_b9.2@6959.76,642 ; R20_b9.2@6977.54,477 6977.54,510.54 7005,538 7005,542.61 ; U4_b9.4@7050.24,81.6 v1(7100.6,81.6) ; v1(7089,355) 7089,383.22 R21_b9.2@7132.86,427.07 7132.86,511.61 7163.86,542.61 ; 7104,542.61 7132.86,571.47 R13_b9.1@7132.86,712.14 ; 9549.86,18.61 9550.79,19.54 9584.24,53 U2_b17.4@9584.24,121.96
  Top Layer w15: R19_b9.2@6348.86,428.07 6348.86,507.61 6383.86,542.61 6387.86,542.61
  Top Layer w20: 9240.86,22.14 9339.86,121.14 9339.86,338.17 9390.12,388.43 Q8_b17.2@9390.12,398.01 9390.12,436.35 9365.72,460.74 v2(9365.72,497.61) ; 9260.86,18.61 9261.79,19.54 ; U1_b17.4@9456.86,647.1 9456.86,711.88 v2(9365.72,803.01) 9334.72,834.01 9334.72,903.15 Q3_b17.2@9382.98,951.41 R12_b17.1@9463.86,951.41
  Top Layer w22: 6169.86,542.61 6229.86,602.61 6229.86,669.75 Q5_b9.2@6281.12,721.01 ; Q10_b17.2@9151.12,186.01 9107.86,142.75 9107.86,70.61 9158.93,19.54
  Top Layer w30: R14_b9.2@4911.99,276.33 5028.27,392.61 5911.99,392.61 6061.99,542.61 6169.86,542.61 6383.86,542.61 ; 6387.86,542.61 6617.86,542.61 6838,542.61 6870,542.61 7005,542.61 7104,542.61 7160.53,542.61 7230,612.08 7230,1044.08 7590.99,1405.07 7590.99,4413.12 8274.99,5097.12 P2.8@8274.99,5504.07 ; 9158.93,19.54 9261.79,19.54 9550.79,19.54
  Bottom Layer w12: v1(7089,355) 7131,313 7131,112 v1(7100.6,81.6)
  Bottom Layer w20: v2(9365.72,497.61) v2(9365.72,803.01)
  Bottom Layer w30: P2.8@8274.99,5504.07 8274.99,5418.07 8419.99,5273.07 8419.99,1236.01 8652,1004 9164.74,1004 v2(9365.72,803.01)